# Altium PCB BMSRev3.PcbDoc (part 1 of 2) (continued)
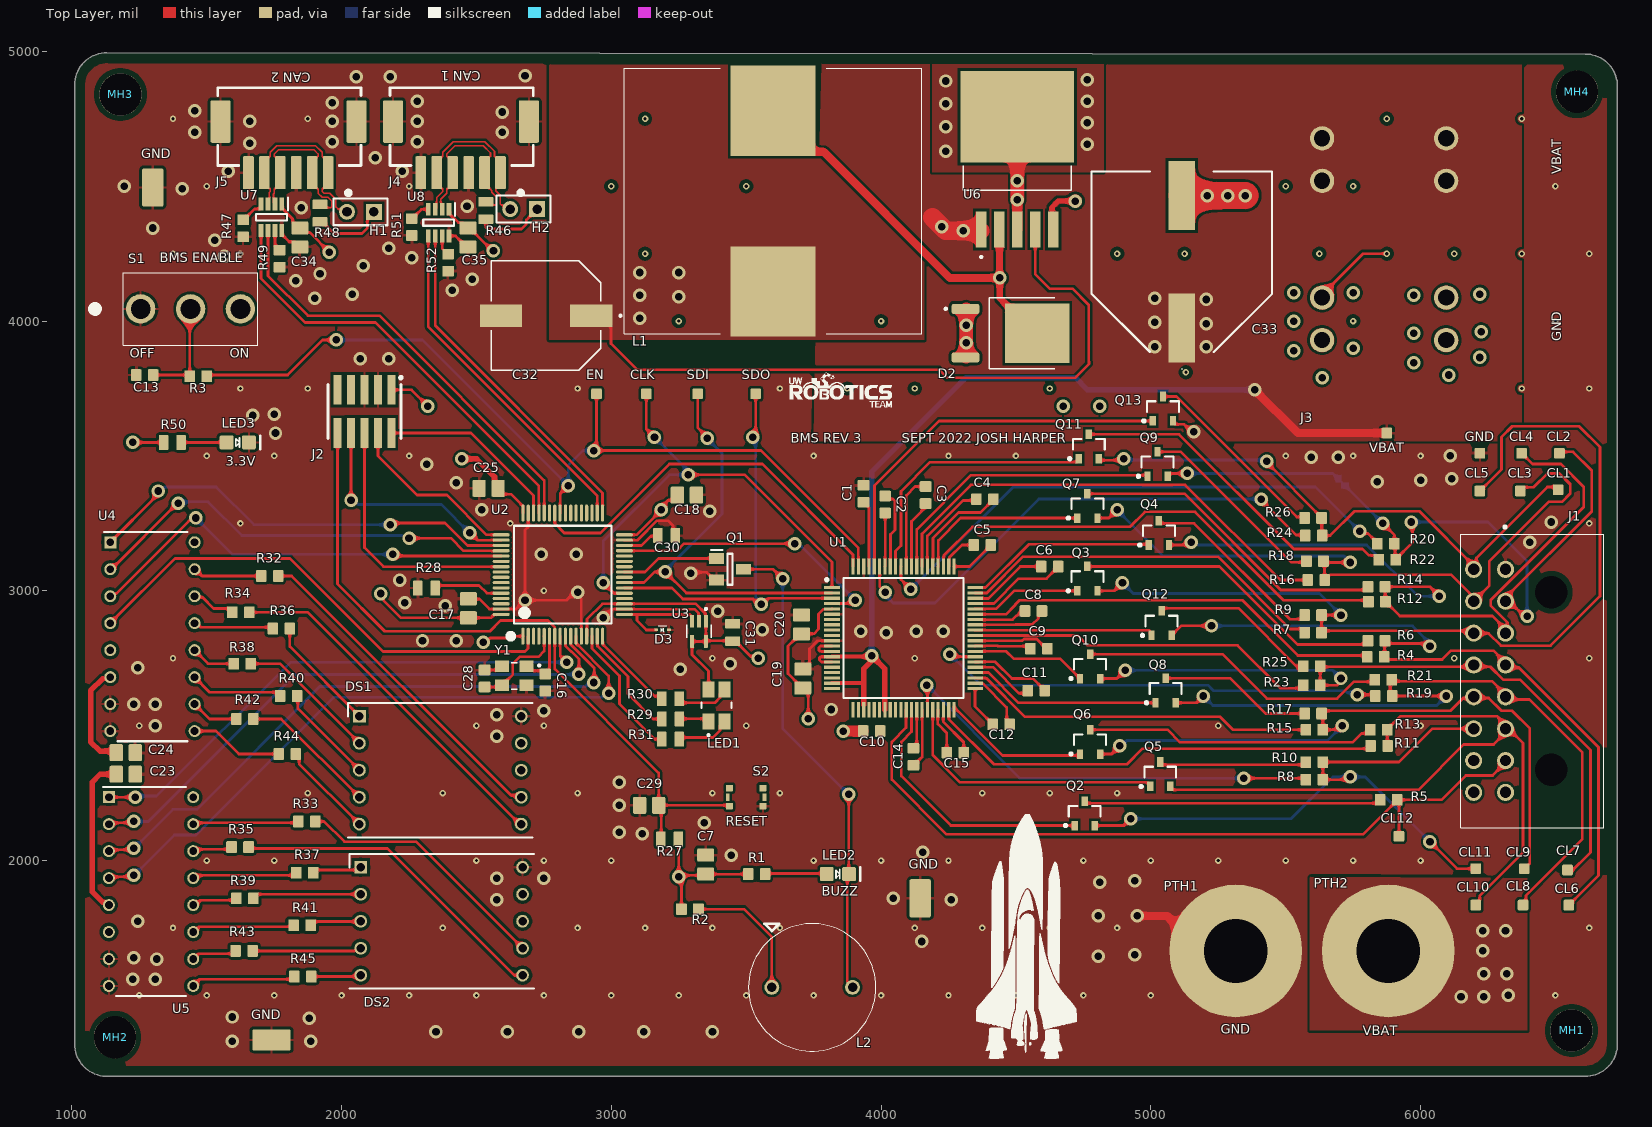
[diagram p0: Top Layer view]
## Components (designator, comment, footprint, x,y, rotation, side; value= is the part's Value field where it differs from the comment) (continued)
GND "TESTPOINT_1MM_SQUARE" TESTPOINT_SQUARE_1MM 6220,3510 r180 top (schematic designator TP15)
H1 "JUMPER_2" HDR1X2 2120,4405 r180 top
H2 "JUMPER_2" HDR1X2 2725,4415 r180 top
J1 "CONN_0430451600" 0430451600 6315,3079.33 r90 top
J2 "CON_PROGRAMMING" FTSH-105-01-F-DV-K-P-TR 2085,3665 r180 top
J3 "CONN_SCREW_TERM_115A" MOLEX-0399200302 5831.85,4126.3 r90 top
J4 "CON_6M_SM_RA_1.5mm" MOLEX-5025850670 2589.05,4550 r0 top
J5 "CON_6M_SM_RA_1.5mm" MOLEX-5025850670 1950,4550 r0 top
L1 "74437529203221" 74437529203221 3600,4444.65 r0 top
L2 "CMI-1275C-050" CMI1275C050 3595,1530 r90 top
LED1 "ASMB-BTE1-0B332" ASMBBTE10B332 3390,2575 r0 top
LED2 "LED_GREEN" LED_0805_GREEN 3840,1950 r0 top
LED3 "LED_GREEN" LED_0805_GREEN 1615,3550 r0 top
MH1 "MOUNTING_HOLE_5/32" MOUNTING_HOLE_5/38 6560,1370 r0 top
MH2 "MOUNTING_HOLE_5/32" MOUNTING_HOLE_5/38 1160,1345 r0 top
MH3 "MOUNTING_HOLE_5/32" MOUNTING_HOLE_5/38 1180,4840 r0 top
MH4 "MOUNTING_HOLE_5/32" MOUNTING_HOLE_5/38 6580,4850 r0 top
PTH1 "PTH" PTH 5315,1668.94 r0 top
PTH2 "PTH" PTH 5880,1668.94 r0 top
Q1 "NDS331N" SOT95P251X112-3N 3440,3080 r0 top
Q2 "NMOS_20V_6A" SOT23-3 4755,2175 r90 top
Q3 "NMOS_20V_6A" SOT23-3 4765,3045 r90 top
Q4 "NMOS_20V_6A" SOT23-3 5030,3215 r90 top
Q5 "NMOS_20V_6A" SOT23-3 5035,2320 r90 top
Q6 "NMOS_20V_6A" SOT23-3 4775,2440 r90 top
Q7 "NMOS_20V_6A" SOT23-3 4765,3315 r90 top
Q8 "NMOS_20V_6A" SOT23-3 5055,2630 r90 top
Q9 "NMOS_20V_6A" SOT23-3 5025,3470 r90 top
Q10 "NMOS_20V_6A" SOT23-3 4775,2720 r90 top
Q11 "NMOS_20V_6A" SOT23-3 4770,3535 r90 top
Q12 "NMOS_20V_6A" SOT23-3 5040,2880 r90 top
Q13 "NMOS_20V_6A" SOT23-3 5045,3675 r90 top
R1 "RES_1kΩ_0603_5%" RES0603 3507.01,1950 r0 top value=1kΩ
R2 "RES_100Ω_0603_1%" RES0603 3322.99,1820 r180 top value=100Ω
R3 "RES_1kΩ_0603_5%" RES0603 1437.01,3795 r0 top value=1kΩ
R4 "RES_3kΩ_0603_1%" RES0603 5865,2755 r180 top value=3kΩ
R5 "RES_430Ω_0603_5%" RES0603 5912.99,2225 r180 top value=430Ω
R6 "RES_430Ω_0603_5%" RES0603 5867.99,2815 r180 top value=430Ω
R7 "RES_3kΩ_0603_1%" RES0603 5632.99,2845 r180 top value=3kΩ
R8 "RES_3kΩ_0603_1%" RES0603 5637.99,2300 r180 top value=3kΩ
R9 "RES_430Ω_0603_5%" RES0603 5632.99,2910 r180 top value=430Ω
R10 "RES_430Ω_0603_5%" RES0603 5637.99,2365 r180 top value=430Ω
R11 "RES_3kΩ_0603_1%" RES0603 5877.99,2425 r180 top value=3kΩ
R12 "RES_3kΩ_0603_1%" RES0603 5870,2960 r180 top value=3kΩ
R13 "RES_430Ω_0603_5%" RES0603 5875.98,2485 r180 top value=430Ω
R14 "RES_430Ω_0603_5%" RES0603 5867.99,3015 r180 top value=430Ω
R15 "RES_3kΩ_0603_1%" RES0603 5637.99,2485 r180 top value=3kΩ
R16 "RES_3kΩ_0603_1%" RES0603 5645,3040 r180 top value=3kΩ
R17 "RES_430Ω_0603_5%" RES0603 5632.99,2545 r180 top value=430Ω
R18 "RES_430Ω_0603_5%" RES0603 5640,3110 r180 top value=430Ω
R19 "RES_3kΩ_0603_1%" RES0603 5895,2610 r180 top value=3kΩ
R20 "RES_3kΩ_0603_1%" RES0603 5902.99,3175 r180 top value=3kΩ
R21 "RES_430Ω_0603_5%" RES0603 5892.99,2670 r180 top value=430Ω
R22 "RES_430Ω_0603_5%" RES0603 5907.99,3115 r180 top value=430Ω
R23 "RES_3kΩ_0603_1%" RES0603 5627.99,2650 r180 top value=3kΩ
R24 "RES_3kΩ_0603_1%" RES0603 5635,3205 r180 top value=3kΩ
R25 "RES_430Ω_0603_5%" RES0603 5627.99,2720 r180 top value=430Ω
R26 "RES_430Ω_0603_5%" RES0603 5632.99,3270 r180 top value=430Ω
R27 "RES_10kΩ_0805_5%" RES0805 3216.16,2080 r0 top value=10kΩ
R28 "RES_10kΩ_0805_5%" RES0805 2315,3010 r180 top value=10kΩ
R29 "RES_20Ω_0805_1%" RES0805 3220,2525 r180 top value=20Ω
R30 "RES_120Ω_0805_1%" RES0805 3220,2600 r0 top value=120Ω
R31 "RES_20Ω_0805_1%" RES0805 3220,2450 r180 top value=20Ω
R32 "RES_62Ω_0603_1%" RES0603 1702.01,3055 r0 top value=62Ω
R33 "RES_62Ω_0603_1%" RES0603 1840,2145 r0 top value=62Ω
R34 "RES_62Ω_0603_1%" RES0603 1595,2920 r0 top value=62Ω
R35 "RES_62Ω_0603_1%" RES0603 1592.01,2050 r0 top value=62Ω
R36 "RES_62Ω_0603_1%" RES0603 1745,2860 r0 top value=62Ω
R37 "RES_62Ω_0603_1%" RES0603 1832.01,1955 r0 top value=62Ω
R38 "RES_62Ω_0603_1%" RES0603 1600,2730 r0 top value=62Ω
R39 "RES_62Ω_0603_1%" RES0603 1610,1860 r0 top value=62Ω
R40 "RES_62Ω_0603_1%" RES0603 1772.01,2610 r0 top value=62Ω
R41 "RES_62Ω_0603_1%" RES0603 1822.01,1760 r0 top value=62Ω
R42 "RES_62Ω_0603_1%" RES0603 1610,2525 r0 top value=62Ω
R43 "RES_62Ω_0603_1%" RES0603 1607.01,1665 r0 top value=62Ω
R44 "RES_62Ω_0603_1%" RES0603 1767.01,2395 r0 top value=62Ω
R45 "RES_62Ω_0603_1%" RES0603 1825,1570 r0 top value=62Ω
R46 "RES_120Ω_0805_1%" RES0805 2535,4410 r90 top value=120Ω
R47 "RES_1kΩ_0603_5%" RES0603 1635,4312.01 r90 top value=1kΩ
R48 "RES_120Ω_0805_1%" RES0805 1920,4400 r90 top value=120Ω
R49 "RES_1kΩ_0603_5%" RES0603 1770,4200 r90 top value=1kΩ
R50 "RES_220Ω_0805_5%" RES0805 1372.48,3550 r0 top value=220Ω
R51 "RES_1kΩ_0603_5%" RES0603 2260,4317.01 r90 top value=1kΩ
R52 "RES_1kΩ_0603_5%" RES0603 2395,4185 r90 top value=1kΩ
S1 "SW_TOGGLE_SPDT" 100SP1T1B4M2QE 1440.04,4045 r0 top
S2 "SW_PUSHBUTTON" TACTILE_SWITCH_SMD 3500,2235 r180 top
SDI "TESTPOINT_1MM_SQUARE" TESTPOINT_SQUARE_1MM 3320,3730 r90 top (schematic designator TP17)
SDO "TESTPOINT_1MM_SQUARE" TESTPOINT_SQUARE_1MM 3535,3730 r90 top (schematic designator TP18)
U1 "MAX14921ECS+" QFP50P1400X1400X120-80N 4083.27,2824.72 r0 top
U2 "STM32F446RET6" STM-LQFP64_L 2820,3060 r90 top
U3 "IC_TEMP_SENSOR_2" SOT65P210X110-5N 3325,2850 r270 top
U4 "CD4511BE" DIP794W53P254L1930H508Q16N 1298.7,2830 r0 top
U5 "CD4511BE" DIP794W53P254L1930H508Q16N 1293.7,1885 r0 top
U6 "LM2575HVS-3.3/NOPB" VREG_TPS79625KTTR 4505,4757.32 r90 top
U7 "MAX33040EAKA+T" SOT65P280X145-8N 1740,4385 r270 top
U8 "MAX33040EAKA+T" SOT65P280X145-8N 2360,4365 r270 top
VBAT "TESTPOINT_1MM_SQUARE" TESTPOINT_SQUARE_1MM 5875,3585 r90 top (schematic designator TP1)
Y1 "CRYSTAL_25MHZ_20PF" XTAL_ECS-250-20-33-CKM-TR 2640,2685 r180 top

## Footprints (in the part's own frame and the unit in brackets; to place one, negate y for a bottom-side part, rotate by r counter-clockwise, add the part's x,y. Pads: shape width x height; smd on the part's side, far side on the other; paste and mask are expansions set on the pad)
100SP1T1B4M2QE [mm]
  round 2.775 hole 1.85: 1(-4.7,0) 2(0,0) 3(4.7,0)
  silkscreen extent -9.3,-3.43 6.35,3.43, body extent -6.35,-3.43 6.35,3.43, height 29.63
0430451600 [mm]
  round 1.605 hole 1.07: 1(0,0) 2(-3,0) 3(-6,0) 4(-9,0) 5(-12,0) 6(-15,0) 7(-18,0) 8(-21,0) 9(0,3) 10(-3,3) 11(-6,3) 12(-9,3) 13(-12,3) 14(-15,3) 15(-18,3) 16(-21,3)
  round 1.525 hole 3.05 unplated: MH1(-18.85,-4.32) MH2(-2.15,-4.32)
  silkscreen extent -24.32,-9.24 4.05,4.2, body extent -24.59,-8.89 3.57,3.35, height 8.77
74437529203221 [mm]
  rect 8x8.5 smd: 1(0,8.5) 2(0,-8.5)
  silkscreen extent -14,-12.5 14,12.5, body extent -14,-12.5 14,12.5, height 20.6
ASMBBTE10B332 [mm]
  rect 1.1x1.5 smd: 1(-0.75,-1.5) 2(-0.75,1.5) 3(0.75,1.5) 4(0.75,-1.5)
  silkscreen extent -1.4,-2.9 1.4,0.25, body extent -1.4,-1.6 1.4,1.6, height 2.2
CAP0603 [mm]
  rrect20% 1x1.1 smd: 1(-0.8,0) 2(0.8,0)
  body extent -0.87,-0.48 0.88,0.48, height 0.87
CAP0805 [mm] "Chip Capacitor, Body 2.0x1.2mm, Height 0.45mm, IPC Medium Density"
  rrect15% 0.9x1.4 smd: 1(-0.825,0) 2(0.825,0)
  body extent -1.1,-0.73 1.1,0.73, height 1.39
CAP2012 [mm]
  rrect20% 1.25x1.6 smd: 1(-0.895,0) 2(0.895,0)
  body extent -1.1,-0.7 1.1,0.75, height 1.41
CAPAE1030X1080N [mm]
  rect 3.99x2.12 smd: 1(-4.24,0) 2(4.24,0)
  silkscreen extent -7.1,-5.15 5.15,5.15, body extent -5.15,-5.45 5.15,5.45, height 10.8
CMI1275C050 [mm]
  round 1.4 hole 0.9: 1(0,0) 2(0,-7.6)
  silkscreen extent -6,-9.8 6,2.2, body extent -6,-9.8 6,2.2, height 8.1
DIP794W53P254L1930H508Q16N [mm]
  rect 1.13x1.13 hole 0.73: 1(-3.97,8.89)
  round 1.13 hole 0.73: 2(-3.97,6.35) 3(-3.97,3.81) 4(-3.97,1.27) 5(-3.97,-1.27) 6(-3.97,-3.81) 7(-3.97,-6.35) 8(-3.97,-8.89) 9(3.97,-8.89) 10(3.97,-6.35) 11(3.97,-3.81) 12(3.97,-1.27) 13(3.97,1.27) 14(3.97,3.81) 15(3.97,6.35) 16(3.97,8.89)
  silkscreen extent -4.54,-9.84 3.3,9.84, body extent -3.94,-9.84 3.94,9.84, height 5.27
DIPS1524W50P254L1240H825Q10N [mm]
  rect 1.2x1.2 hole 0.8: 1(0,0)
  round 1.2 hole 0.8: 2(0,-2.54) 3(0,-5.08) 4(0,-7.62) 5(0,-10.16) 6(15.24,-10.16) 7(15.24,-7.62) 8(15.24,-5.08) 9(15.24,-2.54) 10(15.24,0)
  silkscreen extent -1.06,-11.41 16.3,1.25, body extent -0.95,-11.2 16.15,1.2, height 8
DPAK228P1005X240-4N [mm]
  rrect50% 0.95x2.64 smd: 1(-2.286,-4.24) 3(2.286,-4.24)
  rect 5.63x6.09 smd paste-4: 2(0,2.51)
  silkscreen extent -3.35,-6.2 3.35,4.19, body extent -3.3,-4.72 3.3,5.32, height 2.4
EEEFK0J682AM [mm]
  rect 6.5x2.5 smd: 1(-6.25,0) 2(6.25,0)
  silkscreen extent -10.13,-8.5 8.5,8.5, body extent -9,-8.4 9.4,8.6, height 16.5
ESD9C3.3ST5G [mm]
  rrect15% 0.36x0.25 smd mask+0.05: 1(-0.6,0) 2(0.6,0)
  silkscreen extent -0.4,-0.4 0.4,0.4, body extent -0.53,-0.32 0.53,0.32, height 0.43
FTSH-105-01-F-DV-K-P-TR [mil] "Samtec programming header 10 positions"
  rect 29x110 smd mask+2: 1(-100,-80) 2(-100,80) 3(-50,-80) 4(-50,80) 5(0,-80) 6(0,80) 7(50,-80) 8(50,80) 9(100,-80) 10(100,80)
  silkscreen extent -140,-130 135,100, body extent -125,-175 125,115, height 276
HDR1X2 [mm] "Connector; Header; 2 Position"
  rect 1.5x1.5 hole 0.9: 1(0,0)
  round 1.5 hole 0.9: 2(2.54,0)
  silkscreen extent -1.27,-1.27 3.81,1.27, body extent -1.27,-1.27 3.81,1.27, height 6.35
LED_0805_GREEN [mm] "SMD, 2-Leads, Body 2x1.25mm"
  rrect20% 1.3x1.3 smd: 1(-1.05,0) 2(1.05,0)
  silkscreen extent -0.18,-0.64 2.11,0.64, body extent -1,-0.62 1,0.63, height 1.12
MOLEX-0399200302 [mil] "CONN, 4-Leads, Body 10.01x8.18mm, Pitch 2.54mm"
  round 90 hole 60: 1(-196.85,196.85) 1(-196.85,-263.15) 1(-39.37,196.85) 1(-39.37,-263.15) 2(393.7,-263.15) 2(393.7,196.85) 2(551.18,-263.15) 2(551.18,196.85)
  body extent -448,-512 802,300, height 1480
MOLEX-5025850670 [mm]
  rrect15% 1.9x4 smd: 0(-10.125,4.82) 0(2.675,4.82)
  rrect15% 1x3.1 smd: 1(0,0) 2(-1.5,0) 3(-3,0) 4(-4.5,0) 5(-6,0) 6(-7.5,0)
  silkscreen extent -10.4,-2.1 3.1,8, body extent -10.25,-0.62 3.05,7.88, height 6.41
MOUNTING_HOLE_5/38 [mm] "Meant to use with Mcmaster-carr PN: 91443A250"
  round 3.97 hole 3.97 unplated mask+0.3: 0(0,0)
PTH [mm] "Plated Through Hole"
  round 12.5 hole 6: 1(0,-0.1)
QFP50P1400X1400X120-80N [mm]
  rect 1.475x0.3 smd: 1(-6.738,4.75) 2(-6.738,4.25) 3(-6.738,3.75) 4(-6.738,3.25) 5(-6.738,2.75) 6(-6.738,2.25) 7(-6.738,1.75) 8(-6.738,1.25) 9(-6.738,0.75) 10(-6.738,0.25) 11(-6.738,-0.25) 12(-6.738,-0.75) 13(-6.738,-1.25) 14(-6.738,-1.75) 15(-6.738,-2.25) 16(-6.738,-2.75) 17(-6.738,-3.25) 18(-6.738,-3.75) 19(-6.738,-4.25) 20(-6.738,-4.75) 41(6.738,-4.75) 42(6.738,-4.25) 43(6.738,-3.75) 44(6.738,-3.25) 45(6.738,-2.75) 46(6.738,-2.25) 47(6.738,-1.75) 48(6.738,-1.25) 49(6.738,-0.75) 50(6.738,-0.25) 51(6.738,0.25) 52(6.738,0.75) 53(6.738,1.25) 54(6.738,1.75) 55(6.738,2.25) 56(6.738,2.75) 57(6.738,3.25) 58(6.738,3.75) 59(6.738,4.25) 60(6.738,4.75)
  rect 0.3x1.475 smd: 21(-4.75,-6.738) 22(-4.25,-6.738) 23(-3.75,-6.738) 24(-3.25,-6.738) 25(-2.75,-6.738) 26(-2.25,-6.738) 27(-1.75,-6.738) 28(-1.25,-6.738) 29(-0.75,-6.738) 30(-0.25,-6.738) 31(0.25,-6.738) 32(0.75,-6.738) 33(1.25,-6.738) 34(1.75,-6.738) 35(2.25,-6.738) 36(2.75,-6.738) 37(3.25,-6.738) 38(3.75,-6.738) 39(4.25,-6.738) 40(4.75,-6.738) 61(4.75,6.738) 62(4.25,6.738) 63(3.75,6.738) 64(3.25,6.738) 65(2.75,6.738) 66(2.25,6.738) 67(1.75,6.738) 68(1.25,6.738) 69(0.75,6.738) 70(0.25,6.738) 71(-0.25,6.738) 72(-0.75,6.738) 73(-1.25,6.738) 74(-1.75,6.738) 75(-2.25,6.738) 76(-2.75,6.738) 77(-3.25,6.738) 78(-3.75,6.738) 79(-4.25,6.738) 80(-4.75,6.738)
  silkscreen extent -7.35,-5.65 5.65,5.65, body extent -7,-7 7,7, height 1.2
RES0603 [mm] "Chip Resistor, Body 1.6x0.8mm, IPC Medium Density"
  rrect15% 1x1.1 smd: 1(0,0) 2(1.6,0)
  body extent 0,-0.4 1.6,0.4, height 0.46
RES0805 [mm] "Chip Resistor, 2-Leads, Body 2.00x1.25mm, IPC High Density"
  rrect15% 0.9x1.4 smd: 1(-0.825,0) 2(0.825,0)
  body extent -1,-0.62 1,0.63, height 0.61
S1751-46R [mm] "SMD LOOP TESTPOINT"
  rrect15% 3.6x2 smd: 1(0,0)
  body extent -1.63,-0.85 1.62,0.8, height 2.01
SOT23-3 [mm] "SOT23, 3-Leads, Body 2.90x2.30mm, Pitch 0.95mm, IPC Medium Density"
  rect 0.9x0.6 smd: 1(-1.15,0.95) 2(-1.15,-0.95) 3(1.15,0)
  silkscreen extent -1.27,-1.5 0.7,1.92, body extent -1.3,-1.5 1.3,1.5, height 1.1
SOT65P210X110-5N [mm]
  rrect25% 1.19x0.4 smd mask+0: 1(-0.96,0.65) 2(-0.96,0) 3(-0.96,-0.65)
  rrect25% 1.19x0.4 smd: 4(0.96,-0.65) 5(0.96,0.65)
  silkscreen extent -2.2,-1.17 0.62,1.17, body extent -1.05,-1 1.05,1, height 1.1
SOT65P280X145-8N [mm]
  rect 1.2x0.45 smd: 1(-1.25,0.975) 2(-1.25,0.325) 3(-1.25,-0.325) 4(-1.25,-0.975) 5(1.25,-0.975) 6(1.25,-0.325) 7(1.25,0.325) 8(1.25,0.975)
  silkscreen extent -1.85,-1.45 0.3,1.55, body extent -1.4,-1.45 1.4,1.45, height 1.45
SOT95P251X112-3N [mm]
  rect 1.4x1 smd: 1(-1.27,1.016) 2(-1.27,-1.016) 3(1.27,0)
  silkscreen extent -1.8,-1.46 0.25,1.8, body extent -1.25,-1.46 1.25,1.46, height 1.12
STM-LQFP64_L [mm] "QFP, 64-Leads, Body 10x10mm, Pitch 0.5mm, IPC High Density"
  oval 1.6x0.3 smd: 1(-5.8,3.75) 2(-5.8,3.25) 3(-5.8,2.75) 4(-5.8,2.25) 5(-5.8,1.75) 6(-5.8,1.25) 7(-5.8,0.75) 8(-5.8,0.25) 9(-5.8,-0.25) 10(-5.8,-0.75) 11(-5.8,-1.25) 12(-5.8,-1.75) 13(-5.8,-2.25) 14(-5.8,-2.75) 15(-5.8,-3.25) 16(-5.8,-3.75) 33(5.8,-3.75) 34(5.8,-3.25) 35(5.8,-2.75) 36(5.8,-2.25) 37(5.8,-1.75) 38(5.8,-1.25) 39(5.8,-0.75) 40(5.8,-0.25) 41(5.8,0.25) 42(5.8,0.75) 43(5.8,1.25) 44(5.8,1.75) 45(5.8,2.25) 46(5.8,2.75) 47(5.8,3.25) 48(5.8,3.75)
  oval 0.3x1.6 smd: 17(-3.75,-5.8) 18(-3.25,-5.8) 19(-2.75,-5.8) 20(-2.25,-5.8) 21(-1.75,-5.8) 22(-1.25,-5.8) 23(-0.75,-5.8) 24(-0.25,-5.8) 25(0.25,-5.8) 26(0.75,-5.8) 27(1.25,-5.8) 28(1.75,-5.8) 29(2.25,-5.8) 30(2.75,-5.8) 31(3.25,-5.8) 32(3.75,-5.8) 49(3.75,5.8) 50(3.25,5.8) 51(2.75,5.8) 52(2.25,5.8) 53(1.75,5.8) 54(1.25,5.8) 55(0.75,5.8) 56(0.25,5.8) 57(-0.25,5.8) 58(-0.75,5.8) 59(-1.25,5.8) 60(-1.75,5.8) 61(-2.25,5.8) 62(-2.75,5.8) 63(-3.25,5.8) 64(-3.75,5.8)
  silkscreen extent -5.92,-4.6 4.6,5.02, body extent -5.98,-6 6.02,6, height 1.56
TACTILE_SWITCH_SMD [mm]
  rrect15% 0.65x0.6 smd: 1(-1.575,0.85) 2(1.575,0.85) 3(1.575,-0.85) 4(-1.575,-0.85)
  rrect15% 0.35x0.7 smd: 5(1.725,0) 6(-1.725,0)
  body extent -1.75,-1.35 1.75,1.35, height 1.6
TESTPOINT_SQUARE_1MM [mm]
  rrect20% 1x1 smd: 1(0,0)
VREG_TPS79625KTTR [mm]
  rect 3.4x1 smd paste-3 mask+0: 1(-10.6,3.4) 2(-10.6,1.7) 3(-10.6,0) 4(-10.6,-1.7) 5(-10.6,-3.4)
  rect 8.6x10.7 smd paste-6 mask+0: 6(0,0)
  silkscreen extent -13.3,-5.08 -4.62,5.08, body extent -10.88,-5.08 3.48,5.08, height 4.65
XTAL_ECS-250-20-33-CKM-TR [mm]
  rect 1.3x1.1 smd: 1(-1.15,-0.9) 2(1.15,-0.9) 3(1.15,0.9) 4(-1.15,0.9)
  silkscreen extent -2.45,-1.25 0.27,1.25, body extent -1.62,-1.25 1.58,1.25, height 0.8

## Part data
C1 C2 C3 C4 C5 C6 C8 C9 C11 C12 C14 C15: "CAP CER 1UF 50V X6S 0603", Dielectric=X6S, Manufacturer 1="TDK Corporation", Manufacturer Part Number 1=C1608X6S1H105K080AC, Supplier Part Number 1=445-7424-1-ND, Voltage Rating=50V, Supplier 1=Digi-Key
C7 C17 C18 C19 C20 C23 C24 C25 C34 C35: "CAP CER 0.1UF 50V X7R 0805", Dielectric=X7R, LCSC Part #=C49678, Manufacturer 1="Murata Electronics", Manufacturer Part Number 1=GCM21BR71H104KA37K, Package/Footprint=0805, Supplier Part Number 1=490-8049-1-ND, Voltage Rating=50V, Mounting Type=SMD, Supplier 1=Digi-Key
C10: "CAP CER 0.1UF 10V X7R 0402", Manufacturer 1="Murata Electronics", Manufacturer Part Number 1=GRM155R71A104KA01D, Package/Footprint=0402, Supplier Part Number 1=490-6321-1-ND, Voltage Rating=10V, Supplier 1=Digi-Key
C13: "CAP CER 0.1UF 16V X7R 0603", Dielectric=X7R, LCSC Number=C108079, Manufacturer 1=Yageo, Manufacturer Part Number 1=CC0603KRX7R7BB104, Package/Footprint=0603, Supplier Part Number 1=311-1088-1-ND, Voltage Rating=16V, Supplier 1=Digi-Key
C16 C28: "CAP CER 14PF 50V C0G/NP0 0603", Dielectric=C0G, Manufacturer 1=Samsung, Manufacturer Part Number 1=CL10C140JB8NNNC, Package=0603, Supplier Part Number 1=1276-2187-1-ND, Voltage Rating=50V, Mounting Type=SMD, Supplier 1=Digi-Key
C29: "CAP CER 1UF 50V X7R 0805", LCSC Part #=C28323, Manufacturer 1="Samsung Electro-Mechanics", Manufacturer Part Number 1=CL21B105KBFNNNG, Package=0805, Supplier Part Number 1=1276-6470-1-ND, Voltage Rating=50V, Mounting Type=SMD, Supplier 1=Digi-Key
C30: "CAP CER 4.7UF 16V X5R 0805", Dielectric=X5R, LCSC Part #=C1779, Manufacturer 1="Samsung Electro-Mechanics", Manufacturer Part Number 1=CL21A475KOFNNNE, Package=0805, Supplier Part Number 1=1276-1065-1-ND, Voltage Rating=16V, Mounting Type=SMD, Supplier 1=Digi-Key
C31: "CAP CER 0.01uF 100V X7R 0805", Dielectric=X7R, LCSC Part #=C1710, Manufacturer 1="AVX Corporation", Manufacturer Part Number 1=08051C103KAT2A, Package=0805, Supplier Part Number 1=478-1358-1-ND, Voltage Rating=100V, Mounting Type=SMD, Supplier 1=Digi-Key
C32: Capacitance=1500uF, Supplier Part Number 1=647-PCJ0J152MCL1GS, Voltage=6.3V, Manufacturer Part Number 1=PCJ0J152MCL1GS, Supplier 1=Mouser
C33: "Capacitor Polarised", Capacitance=330uF, Manufacturer_Name=Panasonic, Mouser Part Number=667-EEV-FK1K331M, Voltage=80V, Datasheet Link=http://industrial.panasonic.com/cdbs/www-data/pdf/RDE0000/ABA0000C1181.pdf, Height=17mm, Manufacturer Part Number 1=EEV-FK1K331M, Mouser Price/Stock=https://www.mouser.co.uk/ProductDetail/Panasonic/EEV-FK1K331M?qs=f%252BPvLx1Hi0niAwhZUCTEVQ%3D%3D
CL1: "CELL1"
CL2: "CELL2"
CL3: "CELL3"
CL4: "CELL4"
CL5: "CELL5"
CL6 CL11: "CELL11"
CL7: "CELL7"
CL8: "CELL8"
CL9: "CELL9"
CL10: "CELL10"
CL12: "CELL6"
CLK EN SDI SDO VBAT: "TESTPOINT 1MM SQUARE"
D2: "SBRD10200 Series 200 V 10 A Surface Mount Schottky Rectifier - TO-252-3", Package=None, Availability=Unavailable, Manufacturer Part Number 1=SBRD10200TR, Price=None
D3: "TVS DIODE 3.3VWM SOD923", Voltage=3.3V, Manufacturer Part Number 1=ESD9C3.3ST5G
DS1 DS2: "DISPLAY 7SEG 0.56\" SGL RED 10DIP", Manufacturer_Name=Lite-On, Mouser Part Number=859-LSHD-5503, Arrow Part Number=LSHD-5503, Arrow Price/Stock=https://www.arrow.com/en/products/lshd-5503/lite-on-technology, Datasheet Link=https://componentsearchengine.com/Datasheets/1/LSHD-5503.pdf, Height=8.25mm, Manufacturer Part Number 1=LSHD-5503, Mouser Price/Stock=https://www.mouser.com/Search/Refine.aspx?Keyword=859-LSHD-5503, Supplier Link=https://www.digikey.ca/en/products/detail/lite-on-inc/LSHD-5503/560009
GND GND GND: "TESTPOINT SMD LOOP", Manufacturer 1=Harwin, Manufacturer Part Number 1=S1751-46R, Package/Footprint=SMD, Supplier Part Number 1=952-1478-1-ND, Mounting Type=SMD, Supplier 1=Digi-Key
GND: "CELL0"
H1 H2: "HEADER 2X1", Manufacturer 1="TE Connectivity", Manufacturer Part Number 1=87220-2, Package/Footprint=TH, Supplier Part Number 1=A26542-ND, Mount="Through Hole", Mounting Type=TH, Supplier 1=Digi-Key
J1: "Connector 16 Pin AJX", Arrow Part Number=0430451600, Manufacturer_Name=Molex, Arrow Price/Stock=https://www.arrow.com/en/products/0430451600/molex, Datasheet Link=https://www.molex.com/pdm_docs/sd/430451600_sd.pdf, Height=9.02mm, Manufacturer Part Number 1=0430451600
J2: "CONN HEADER SMD 10POS 1.27MM", Manufacturer 1=Samtec, Manufacturer Part Number 1=FTSH-105-01-F-DV-K, Supplier Part Number 1=SAM8796-ND, Mounting Type=SMD, Pitch=1.27mm, Supplier 1=Digi-Key
J3: "CONN TERM BLOCK 2POS 15MM 1-8AWG", Manufacturer 1=Molex, Manufacturer Part Number 1=0399200302, Supplier Part Number 1=WM20114-ND, Pitch=0.591inch, Supplier 1=Digi-Key, Wire Gauge (Max)=8AWG, Wire Gauge (Min)=1AWG
J4 J5: "CONN HEADER SMD RIGHT ANGLE 1.5 MM PITCH", Manufacturer 1=Molex, Manufacturer Part Number 1=5025850670, Package/Footprint=SMD, Supplier Part Number 1=WM12832CT-ND, Family=CLIK-Mate, Mounting Type=SMD, Supplier 1=Digi-Key
L1: "Inductor", Manufacturer_Name="Wurth Elektronik", Mouser Part Number=710-74437529203221, Datasheet Link=https://www.mouser.com/datasheet/2/445/74437529203221-1280418.pdf, Height=20.5mm, Manufacturer Part Number 1=74437529203221, Mouser Price/Stock=https://www.mouser.co.uk/ProductDetail/Wurth-Elektronik/74437529203221?qs=f9yNj16SXrLAROUwbKRDKA%3D%3D
L2: "Inductor", Manufacturer_Name="CUI Inc.", Mouser Part Number=490-CMI-1275C-050, Arrow Part Number=CMI-1275C-050, Arrow Price/Stock=https://www.arrow.com/en/products/cmi-1275c-050/cui-inc, Datasheet Link=https://componentsearchengine.com/Datasheets/1/CMI-1275C-050.pdf, Height=8mm, Manufacturer Part Number 1=CMI-1275C-050, Mouser Price/Stock=https://www.mouser.co.uk/ProductDetail/CUI-Devices/CMI-1275C-050?qs=qCxwlXJ4fnyWvfqXc%252BNqAA%3D%3D
LED1: "LED RGB DIFFUSED 4PLCC SMD", Manufacturer_Name="Avago Technologies", Mouser Part Number=630-ASMB-BTE1-0B332, Datasheet Link=https://docs.broadcom.com/doc/AV02-4236EN, Height=2.1mm, Manufacturer Part Number 1=ASMB-BTE1-0B332, Mouser Price/Stock=https://www.mouser.co.uk/ProductDetail/Broadcom-Avago/ASMB-BTE1-0B332?qs=ToP8pWlZ0bOzYR3dfJnh3g%3D%3D
LED2 LED3: "LED GREEN DIFFUSED 0805 SMD", Forward Voltage Drop=2.2V, Manufacturer 1=OSRAM, Manufacturer Part Number 1="LG R971-KN-1", Package/Footprint=0805, Supplier Part Number 1=475-1410-1-ND, Mounting Type=SMD, Supplier 1=Digi-Key
Q1: "MOSFET (N-Channel)", Manufacturer_Name=onsemi, Mouser Part Number=512-NDS331N, Datasheet Link=https://www.onsemi.com/pub/Collateral/NDS331N-D.PDF, Height=1.12mm, Manufacturer Part Number 1=NDS331N, Mouser Price/Stock=https://www.mouser.co.uk/ProductDetail/ON-Semiconductor-Fairchild/NDS331N?qs=FOlmdCx%252BAA2del7Yv4IvDw%3D%3D
Q2 Q3 Q4 Q5 Q6 Q7 Q8 Q9 Q10 Q11 Q12 Q13: "MOSFET N-CH 20V 6A SOT-23", Manufacturer 1="Alpha & Omega", Manufacturer Part Number 1=AO3420, Supplier Part Number 1=785-1014-2-ND, Supplier 1=Digi-Key
R1 R3 R47 R49 R51 R52: "RES 1K OHM 5% 1/10W 0603", LCSC Number=C14676, Manufacturer 1=Yageo, Manufacturer Part Number 1=RC0603JR-071KL, Package/Footprint=0603, Supplier Part Number 1=311-1.0KGRCT-ND, Mounting Type=SMD, Supplier 1=Digi-Key
R2: "RES 100 OHM 1% 1/10W 0603", Manufacturer 1=Yageo, Manufacturer Part Number 1=RC0603FR-07100RL, Supplier Part Number 1=311-100HRCT-ND, Supplier 1=Digi-Key
R4 R7 R8 R11 R12 R15 R16 R19 R20 R23 R24: "RES 3K OHM 1% 1/10W 0603", Manufacturer 1=Yageo, Manufacturer Part Number 1=RC0603FR-073KL, Supplier Part Number 1=311-3.00KHRCT-ND, Supplier 1=Digi-Key
R5 R6 R9 R10 R13 R14 R17 R18 R21 R22 R25 R26: "RES 430 OHM 5% 1/10W 0603", Manufacturer 1="Stackpole Electronics", Manufacturer Part Number 1=RMCF0603JT430R, Package/Footprint=0603, Mounting Type=SMD, Supplier 1=Digi-Key, Supplier Part Number 1=RMCF0603JT430R
R27 R28: "RES 10K OHM 5% 1/8W 0805", LCSC Part #=C17414, Manufacturer 1="Panasonic Electronic Components", Manufacturer Part Number 1=ERJ-6GEYJ103V, Package/Footprint=0805, Supplier Part Number 1=P10KACT-ND, Mounting Type=SMD, Supplier 1=Digi-Key
R29 R31: "RES 20 OHM 1% 1/8W 0805", LCSC Part #=C17581, Manufacturer 1=Yageo, Manufacturer Part Number 1=RC0805FR-0720RL, Package=0805, Supplier Part Number 1=311-20.0CRCT-ND, Mounting Type=SMD, Supplier 1=Digi-Key
R30 R46 R48: "RES 120 OHM 1% 1/8W 0805", LCSC Part #=C17437, Manufacturer 1=Vishay, Manufacturer Part Number 1=CRCW0805120RFKEA, Package/Footprint=0805, Supplier Part Number 1=541-120CCT-ND, Mounting Type=SMD, Supplier 1=Digi-Key
R32 R33 R34 R35 R36 R37 R38 R39 R40 R41 R42 R43 R44 R45: "RES 62 OHM 1% 1/10W 0603", Manufacturer=Vishay, Manufacturer Part Number 1=CRCW060362R0FKEA, Package=0603, Supplier Part Number 1=541-62.0HCT-ND, Supplier 1=Digi-Key
R50: "RES 220 OHM 5% 1/2W 0805", LCSC Part #=C17557, Manufacturer 1="Panasonic Electronic Components", Manufacturer Part Number 1=ERJ-P06J221V, Package=0805, Supplier Part Number 1=P220ADCT-ND, Mounting Type=SMD, Supplier 1=Digi-Key
S1: "SWITCH TOGGLE SPDT 5A 120V", Manufacturer 1=E-Switch, Manufacturer Part Number 1=100SP1T1B4M2QE, Package/Footprint=TH, Supplier Part Number 1=EG2355-ND, Voltage Rating (DC)=28V, Mounting Type=TH, Supplier 1=Digi-Key, Throw Configuration=SPDT
S2: "SMT 3.0 X 2.6 MM TACT SWITCH WIT", Manufacturer 1="Würth Elektronik", Manufacturer Part Number 1=435151014824, Supplier Part Number 1=732-435151014824CT-ND, Supplier 1=Digi-Key
U1: "IC 16s BMS", Manufacturer_Name="Maxim Integrated", Mouser Part Number=700-MAX14921ECS+, Datasheet Link=http://pdfserv.maximintegrated.com/package_dwgs/21-0072.PDF, Height=1.2mm, Manufacturer Part Number 1=MAX14921ECS+, Mouser Price/Stock=https://www.mouser.co.uk/ProductDetail/Maxim-Integrated/MAX14921ECS%2b?qs=Vwh6e7toGLhlnKi5DjCusg%3D%3D
U2: library part MCU_STM32F446RET6, "ARM Cortex-M4 32-bit MCU+FPU, 512 KB Flash, 128 KB Internal RAM, 50 I/Os, 64-Pin LQFP, -40 to 85 degC, Tray", I/Os (High Current)=50, Operating Frequency(F) (Processor speed) (MHz)=180, Package Description=LQFP64, Package Reference="64-Pin Low-profile Quad Flat Package, Body 10 x 10 mm, Pitch 0.5 mm", Supplier Part Number 1=497-15376-ND, Supply Voltage(Vcc) min (V)=1.7, ComponentLink1Description="Manufacturer URL", ComponentLink1URL=http://www.st.com/, ComponentLink2Description=Datasheet, ComponentLink2URL=http://www.st.com/st-web-ui/static/active/en/resource/technical/document/datasheet/DM00141306.pdf, Core="ARM Cortex-M4", D/A Converter=2, DatasheetVersion="Rev. 6", FLASH Size (Prog) (kB)=512, Internal RAM Size (kB)=128, Mounting Technology="Surface Mount", Packing=Tray, Supplier 1=Digi-Key
U3: "SENSOR ANALOG -50C-150C SC70-5", Manufacturer 1="Texas Instruments", Manufacturer Part Number 1=LMT87DCKT, Package/Footprint=SC70-5, Supplier Part Number 1=296-35730-1-ND, Mounting Type=SMD, Supplier 1=Digi-Key
U4 U5: "Integrated Circuit", Manufacturer_Name="Texas Instruments", Mouser Part Number=595-CD4511BE, Arrow Part Number=CD4511BE, Arrow Price/Stock=https://www.arrow.com/en/products/cd4511be/texas-instruments?region=nac, Datasheet Link=http://www.ti.com/lit/gpn/cd4511b, Height=5.08mm, Manufacturer Part Number 1=CD4511BE, Mouser Price/Stock=https://www.mouser.co.uk/ProductDetail/Texas-Instruments/CD4511BE?qs=pt%2FIv5r0EPdhGGYgwfpYEw%3D%3D
U6: Package=None, Availability=Unavailable, Manufacturer Part Number 1=LM2575HVS-3.3/NOPB, MP=LM2575HVS-3.3/NOPB, Price=None
U7 U8: "Integrated Circuit", Manufacturer_Name="Maxim Integrated", Mouser Part Number=700-MAX33040EAKA+T, Datasheet Link=https://datasheets.maximintegrated.com/en/ds/MAX33040E-MAX33041E.pdf, Height=1.45mm, Manufacturer Part Number 1=MAX33040EAKA+T, Mouser Price/Stock=https://www.mouser.co.uk/ProductDetail/Maxim-Integrated/MAX33040EAKA%2bT?qs=IS%252B4QmGtzzrp4y4r9nEH%252Bg%3D%3D
Y1: "CRYSTAL 25.0000MHZ 20PF SMD", Frequency=25MHz, Load Capacitance=20pF, Manufacturer 1="ECS Inc.", Manufacturer Part Number 1=ECS-250-20-33-CKM-TR, Package/Footprint=SMD, Supplier Part Number 1=XC1817CT-ND, Mounting Type=SMD, Supplier 1=Digi-Key

## Via types
v1: diameter 50, hole 28, Top Layer to Bottom Layer, tented both sides, 240 vias
v2: diameter 24, hole 12, Top Layer to Bottom Layer, tented both sides, 111 vias

## Nets (pads, with @x,y where several pads share a name; then routed paths per layer and width w, separated by ;. In a path a pad name is that pad's centre, name@x,y a point inside that pad or via, vN(x,y) a via of type N, cw(c..) or ccw(c..) an arc to the next point about the centre after c; other vN are vias at no path point)
3V3: C7.2 C17.2 C18.2 C19.2 C20.2 C23.2 C24.2 C25.2 C31.2 C32.1 C34.2 C35.2 J2.1 L1.2 LED1.2 R1.1 R2.2 R27.2 R50.1 S1.3 U1.5 U2.1 U2.13 U2.19 U2.32 U2.48 U2.64 U3.1 U3.4 U3.5 U4.5 U4.6 U4.16 U5.5 U5.6 U5.16 U6.4 U7.1 U8.1 | length 7869.2
  Top Layer w10: 1114.86,2674.86 1137.26,2674.86 U4.6@1142.4,2680 ; v1(1225,3550) R50.1@1340,3550 ; U7.1@1778.39,4434.21 1778.39,4419.45 1818.5,4379.33 1818.5,4364.84 1838.11,4345.24 C34.2@1845,4345.24 1862.33,4327.9 1882.1,4327.9 v1(1955,4255) ; v1(2145,2990) 2145,2979.18 2155.78,2968.39 2155.78,2964.22 2220.24,2899.76 2396.35,2899.76 C17.2@2470,2899.76 2553.46,2899.76 2566.06,2912.36 U2.64@2591.65,2912.36 ; J2.1@2185,3745 2260,3745 v1(2320,3685) ; U8.1@2398.39,4414.21 2398.39,4399.45 2432.99,4364.84 2448.5,4364.84 C35.2@2468.11,4345.24 2475,4345.24 2560.24,4260 v1(2563.11,4260) ; v1(2525,2810) 2535.82,2810 2550.82,2825 2628.35,2825 2635,2831.65 U2.1@2672.36,2831.65 ; C25.2@2580.24,3380 2580.24,3377.94 2599.84,3358.34 2627.96,3358.34 2672.36,3313.94 U2.48@2672.36,3288.35 ; U2.13@2908.58,2831.65 2909.8,2832.87 2909.8,2894.8 2966.73,2951.73 U2.19@3048.35,2951.73 3313.27,2951.73 3348.22,2916.78 3348.22,2890.17 U3.1@3350.59,2887.8 U3.5@3350.59,2814.65 ; C32.1@2925,4020 2961.81,4020 2998.54,3983.27 2998.54,3916.46 3095,3820 4215,3820 4245,3790 4720,3790 4770.86,3840.86 4770.86,3849.14 4770,3850 4770,4060 4710,4120 4625,4120 4571.93,4173.07 U6.4@4571.93,4340 ; U2.32@3048.35,3207.64 3092.64,3207.64 3192.65,3307.65 3192.65,3317.65 3211.02,3336.02 3225.78,3336.02 C18.2@3244.76,3355 ; R27.2@3248.64,2080 3250,2078.64 v1(3250,1940) ; R2.2@3265,1815 R2.2@3260,1820 3260,1919.18 3250,1929.18 v1(3250,1940) ; C7.2@3350,1945 3255,1945 v1(3250,1940) ; C7.2@3350,1949.76 R1.1@3506.77,1949.76 ; LED1.2@3360.47,2634.06 3360.47,2701.93 3299.41,2762.99 U3.4@3299.41,2812.2 U3.5@3350.59,2812.2 U3.5@3350.59,2814.65 ; v1(3544.9,2750.48) 3537.98,2757.4 3515.25,2757.4 3472.46,2800.19 3472.46,2800.29 3459.74,2813 C31.2@3449.9,2813 3448.26,2814.65 U3.5@3350.59,2814.65 ; v1(3730,2525) 3730,2619.92 3710.39,2639.53 3708.11,2639.53 3655,2692.64 3655,2795.16 3678.5,2818.66 3678.5,2820.16 3698.11,2839.76 C20.2@3705,2839.76 3705.87,2840.64 3750.64,2840.64 3768.24,2858.24 3768.24,2913.24 3787.09,2932.09 3817.09,2932.09 U1.5@3817.99,2932.99
  Top Layer w20: 1114.86,2674.86 1070,2630 1070,2440 1104.56,2405.44 1164.32,2405.44 1164.76,2405 C24.2@1164.76,2400 ; U5.5@1137.4,1835 1130.77,1835 1120.03,1845.74 1114.26,1845.74 1075,1885 1075,2290 1105,2320 C23.2@1164.76,2320 ; v1(2445.74,3489.26) 2500.74,3489.26 2567.3,3422.7 2567.3,3392.94 C25.2@2580.24,3380
  other v1: 3185,3300 3105,4010 3250,4090 3105,4095 3105,4180 3250,4180
A_1: DS2.1 R37.2 | length 184.3
  Top Layer w10: R37.2@1895,1955 1905,1965 2061,1965 DS2.1@2071,1975
A_2: DS1.1 R36.2 | length 431.9
  Top Layer w10: R36.2@1807.99,2860 1807.99,2793.01 DS1.1@2066,2535
B_1: DS2.2 R39.2 | length 404.4
  Top Layer w10: R39.2@1672.99,1860 1672.99,1860.31 1687.68,1875 DS2.2@2071,1875
B_2: DS1.2 R38.2 | length 525.2
  Top Layer w10: R38.2@1662.99,2730 1771,2730 DS1.2@2066,2435
C_1: DS2.3 R41.2 | length 192.2
  Top Layer w10: R41.2@1885,1760 1898.82,1773.82 2069.82,1773.82 DS2.3@2071,1775
C_2: DS1.3 R40.2 | length 375.3
  Top Layer w10: R40.2@1821.75,2596.75 R40.2@1825.01,2593.5 ; R40.2@1835,2610 1837.99,2607.01 1837.99,2563.01 DS1.3@2066,2335
CANA_N: H1.2 J5.1 J5.5 U7.3 | length 732.9
  Top Layer w5.91: U7.3@1727.2,4434.21 1732.52,4439.53 1732.52,4477.24 1735.83,4480.54 1735.83,4488.47 1732.37,4491.93 1730.51,4491.93 1713.78,4508.66 J5.5@1713.78,4550 1713.78,4591.34 1730.51,4608.07 1732.37,4608.07 1735.83,4611.53 1735.83,4625.66 1760.13,4649.96 1903.65,4649.96 1927.95,4625.66 1927.95,4611.53 1931.41,4608.07 1933.27,4608.07 1950,4591.34 J5.1@1950,4550 1950,4508.66 1933.27,4491.93 1931.41,4491.93 1927.95,4488.47 1927.95,4480.54 1934.48,4474.02 1955.87,4474.02 1978.16,4451.73 1978.16,4423.83 1986.82,4415.17 2009.83,4415.17 H1.2@2020,4405
CANA_P: J5.2 J5.4 R48.2 U7.2 | length 683.4
  Top Layer w5.91: U7.2@1752.8,4434.21 1747.48,4439.53 1747.48,4471.04 1750.79,4474.34 1750.79,4488.47 1754.25,4491.93 1756.1,4491.93 1772.83,4508.66 J5.4@1772.83,4550 1772.83,4591.34 1756.1,4608.07 1754.25,4608.07 1750.79,4611.53 1750.79,4619.46 1766.33,4635 1897.45,4635 1912.99,4619.46 1912.99,4611.53 1909.53,4608.07 1907.68,4608.07 1890.94,4591.34 J5.2@1890.94,4550 1890.94,4508.66 1907.68,4491.93 1909.53,4491.93 1912.99,4488.47 1912.99,4474.34 1928.28,4459.05 1949.67,4459.05 1963.2,4445.53 1963.2,4423.83 1959.74,4420.37 1932.11,4420.37 R48.2@1920,4432.48
CANB_N: H2.2 J4.1 J4.5 U8.3 | length 731.1
  Top Layer w5.91: U8.3@2347.2,4414.21 2352.52,4419.53 2352.52,4458.18 2374.88,4480.54 2374.88,4488.47 2371.42,4491.93 2369.57,4491.93 2352.83,4508.66 J4.5@2352.83,4550 2352.83,4591.34 2369.57,4608.07 2371.42,4608.07 2374.88,4611.53 2374.88,4625.66 2414.18,4664.96 2531.2,4664.96 2567.01,4629.15 2567.01,4611.53 2570.47,4608.07 2572.32,4608.07 2589.05,4591.34 J4.1@2589.05,4550 2572.32,4533.27 2572.32,4489.48 2571.31,4488.47 2571.31,4483.58 2588.16,4466.73 2588.16,4433.83 2591.62,4430.37 2595.24,4430.37 2610.62,4415 H2.2@2625,4415
CANB_P: J4.2 J4.4 R46.2 U8.2 | length 686.2
  Top Layer w5.91: U8.2@2372.8,4414.21 2367.48,4419.53 2367.48,4451.98 2389.84,4474.34 2389.84,4488.47 2393.3,4491.93 2395.16,4491.93 2411.89,4508.66 J4.4@2411.89,4550 2411.89,4591.34 2395.16,4608.07 2393.3,4608.07 2389.84,4611.53 2389.84,4619.46 2420.38,4650 2525,4650 2552.05,4622.95 2552.05,4611.53 2548.59,4608.07 2546.73,4608.07 2530,4591.34 J4.2@2530,4550 2530,4508.66 2546.73,4491.93 2548.59,4491.93 2556.35,4484.17 2556.35,4477.38 2573.2,4460.53 2573.2,4433.83 2569.74,4430.37 2547.11,4430.37 R46.2@2535,4442.48
Cell6: CL6.1 J1.4 Q12.2 R4.1 R6.1 | length 2833.8
  Top Layer w10: Q12.2@5077.4,2834.72 5112.68,2870 v1(5225,2870) ; R4.1@5865,2755 R4.1@5866.5,2756.5 ; R4.1@5866.5,2759.69 5866.5,2810.51 R6.1@5869.49,2813.5 ; R6.1@5867.99,2815 5877.99,2805 6014.18,2805 6024.18,2795 v1(6035,2795) ; R4.1@5870.98,2759.69 5885.67,2745 6080,2745 6112.93,2777.93 6270,2777.93 6315,2732.93 J1.4@6315,2725 6325.18,2714.82 6365.18,2714.82 6660,2420 6660,1945 CL6.1@6550,1835
  Bottom Layer w10: v1(5225,2870) 5970,2870 6035,2805 v1(6035,2795)
D_1: DS2.4 R43.2 | length 405.1
  Top Layer w10: R43.2@1670,1665 2046.52,1665 2049.39,1667.87 2063.87,1667.87 DS2.4@2071,1675
D_2: DS1.4 R42.2 | length 513.1
  Top Layer w10: R42.2@1672.99,2525 1776,2525 DS1.4@2066,2235
E_1: DS2.5 R45.2 | length 190.1
  Top Layer w10: R45.2@1887.99,1570 1894,1564 1897,1567 1900,1570 2066,1570 DS2.5@2071,1575
E_2: DS1.5 R44.2 | length 357.8
  Top Layer w10: R44.2@1830,2395 1842.91,2382.09 1842.91,2358.09 DS1.5@2066,2135
EN: EN.1 R3.2 U1.79 U2.41 | length 3340
  Top Layer w10: R3.2@1500,3795 1505,3800 1800,3800 1930,3930 v1(1980,3930) ; U2.41@2810.16,3288.35 2810.16,3360.16 v1(2840,3390) ; EN.1@2945,3730 2945,3540.82 2935,3530.82 v1(2935,3520) 3555,3520 3915.94,3159.06 U1.79@3915.94,3090
  Bottom Layer w10: v1(1980,3930) 2300,3930 v1(2840,3390) 2840,3465 2895,3520 v1(2935,3520)
F_1: DS2.7 R33.2 | length 962.7
  Top Layer w10: R33.2@1902.99,2145 1935,2145 2010,2070 2276,2070 DS2.7@2671,1675
F_2: DS1.7 R32.2 | length 1240.7
  Top Layer w10: R32.2@1765,3055 1815,3055 2627.87,2242.13 2658.87,2242.13 DS1.7@2666,2235
G_1: DS2.6 R35.2 | length 1212.8
  Top Layer w10: R35.2@1655,2050 1660,2045 2170,2045 2640,1575 DS2.6@2671,1575
G_2: DS1.6 R34.2 | length 1333.2
  Top Layer w10: R34.2@1657.99,2920 1875,2920 2660,2135 DS1.6@2666,2135